# Allegro board 4CHOEI-X86brd-1.brd
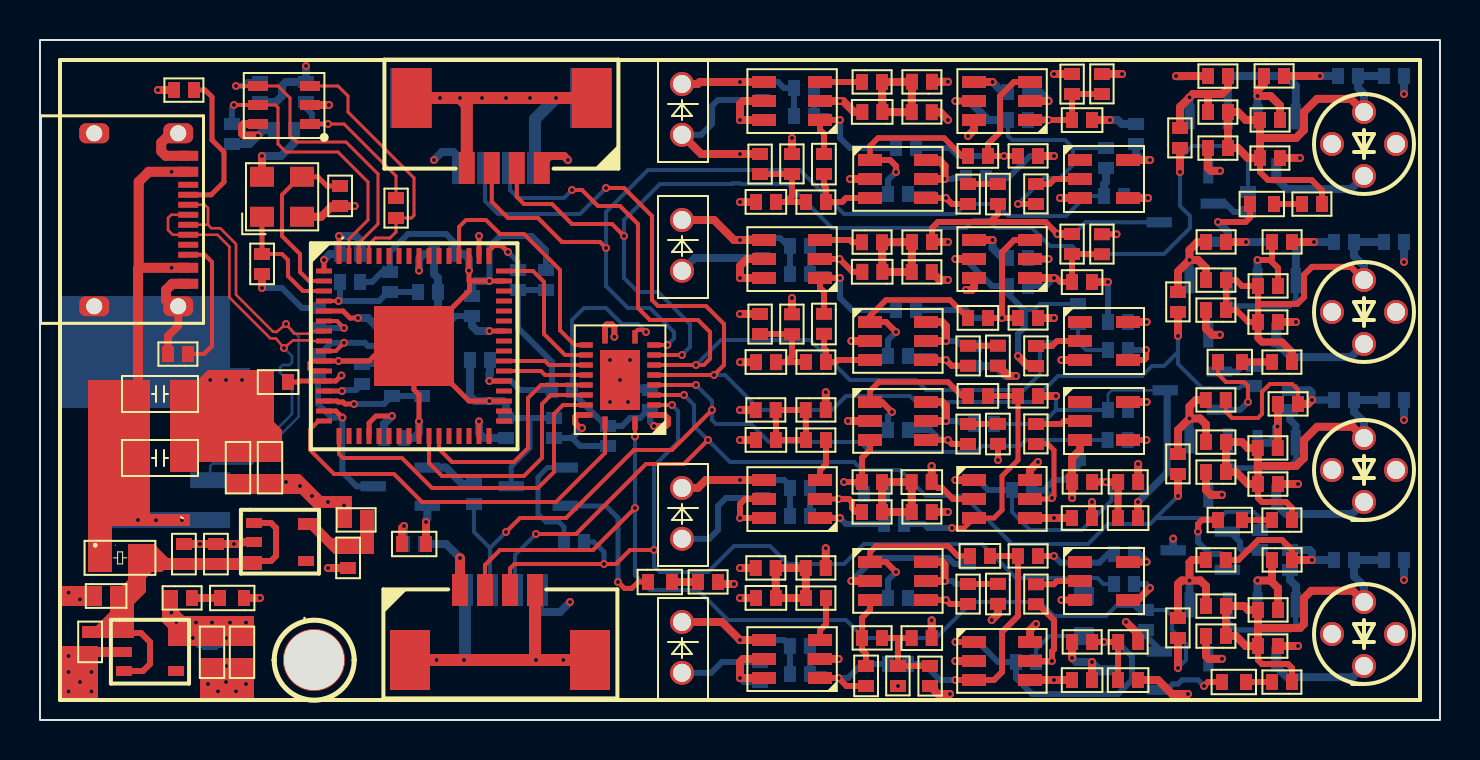
[diagram p0: board, top side]
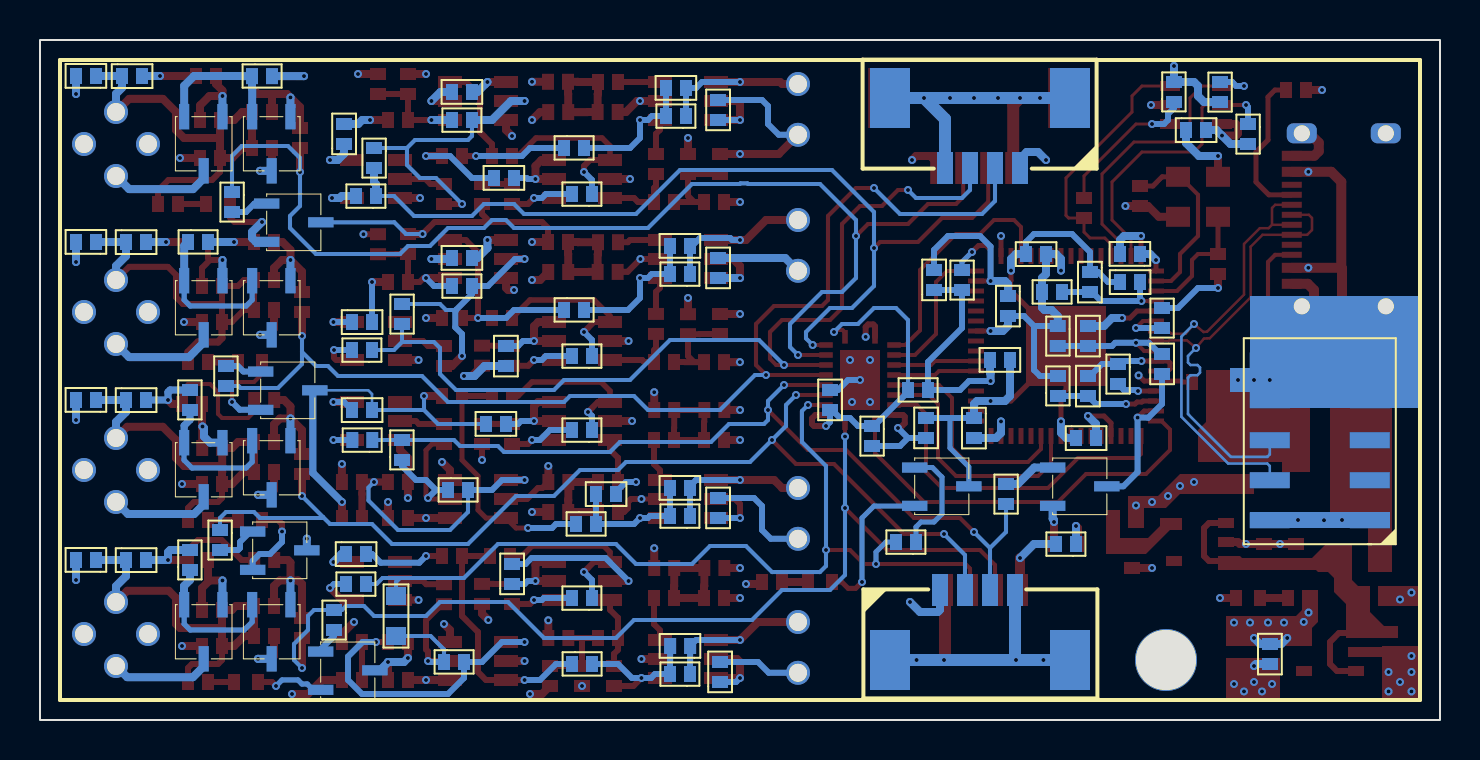
[diagram p1: board, bottom side, seen from below]

Outline 70 x 34 mm; copper layers: TOP, GND-2, VCC-3, BOTTOM. Coordinates in mm from the lower left corner of the outline.
Outline path: rectangle 0,0 70,34

## Design rules (mm)
constraint set DEFAULT: min track width 0.127, pair gap 0.203
net group DP1: nets DM DP
net group RXD_A: nets N1044254 RXD_A
net group RXD_B: nets N1046726 RXD_B
net group TXD_A: nets N931500 N931876 N931880 N931896 N1030033 N1030111 TXD_A
net group TXD_B: nets N932356 N932732 N932736 N932752 N1032803 N1032881 TXD_B
net group TXD_C: nets N932344 N932712 N932716 N932748 N1031483 N1031561 TXD_C
net group TXD_D: nets N931488 N931856 N931860 N931892 N1026759 N1028297 TXD_D

## Placement (name value [footprint] x y rotation side)
C1  DNI  [C0402_SMT]  42.12 30.4 180 top
C2  0.1uF  [C0402_SMT]  51.6 30 0 top
C3  DNI  [C0402_SMT]  47.4 28.2 180 top
C4  DNI  [C0402_SMT]  39.2 28.3 270 top
C5  0.1uF  [C0402_SMT]  47.9 26.8 270 top
C6  27pF  [C0402_SMT]  15 25.7 90 top
C7  0.1uF  [C0402_SMT]  36.8 25.9 180 top
C8  27pF  [C0402_SMT]  11.1 22.3 90 top
C9  DNI  [C0402_SMT]  42.12 22.41 180 top
C10  0.1uF  [C0402_SMT]  51.6 21.9 0 top
C11  DNI  [C0402_SMT]  47.4 20.1 180 top
C12  DNI  [C0402_SMT]  39.2 20.3 270 top
C13  0.1uF  [C0402_SMT]  47.9 18.71 270 top
C14  0.1uF  [C0402_SMT]  36.8 17.89 180 top
C15  0.1uF  [C0402_SMT]  11.4 16.9 0 top
C16  22uF  [C0805_SMT]  4.9 16.3 0 top
C17  DNI  [C0402_SMT]  47.4 16.2 180 top
C18  0.1uF  [C0402_SMT]  47.9 14.8 270 top
C19  DNI  [C0402_SMT]  36.8 14 180 top
C20  22uF  [C0805_SMT]  4.9 13.1 0 top
C21  22uF  [C0603_SMT]  9.9 11.9 90 top
C22  22uF  [C0603_SMT]  11.5 11.9 90 top
C23  0.1uF  [C0402_SMT]  43.59 11.9 0 top
C24  0.1uF  [C0402_SMT]  51.6 10.1 0 top
C25  0.1uF  [C0402_SMT]  53.9 10.1 0 top
C26  10uF  [C0402_SMT]  7.2 8.8 270 top
C27  0.1uF  [C0402_SMT]  8.8 8.8 270 top
C28  DNI  [C0402_SMT]  47.5 8.2 180 top
C29  10uF  [C0402_SMT]  15.4 7.6 90 top
C30  0.1uF  [C0402_SMT]  47.9 6.8 270 top
C31  0.1uF  [C0402_SMT]  2.8 6.21 0 top
C32  DNI  [C0402_SMT]  36.8 6.1 180 top
C33  0.1uF  [C0402_SMT]  43.59 4.1 0 top
C34  10uF  [C0402_SMT]  2.5 3.4 90 top
C35  22uF  [C0603_SMT]  8.6 4.1 270 top
C36  22uF  [C0603_SMT]  10.1 4.1 270 top
C37  DNI  [C0402_SMT]  41.3 1.7 90 top
C38  0.1uF  [C0402_SMT]  51.6 2 0 top
C39  0.1uF  [C0402_SMT]  53.9 2 0 top
C40  10uF  [C0402_SMT]  67.2 32.2 0 bottom
C41  10uF  [C0402_SMT]  65.9 32.2 180 bottom
C42  1.5pF  [C0402_SMT]  37.7 31.6 0 bottom
C43  0.1uF  [C0402_SMT]  48.4 31.4 0 bottom
C44  0.1uF  [C0402_SMT]  36.1 30 90 bottom
C45  0.1uF  [C0402_SMT]  12.7 29.5 180 bottom
C46  0.1uF  [C0402_SMT]  54.8 28.8 90 bottom
C47  0.1uF  [C0402_SMT]  46.3 27.1 0 bottom
C48  10uF  [C0402_SMT]  67.2 23.9 0 bottom
C49  10uF  [C0402_SMT]  65.7 23.9 180 bottom
C50  1.5pF  [C0402_SMT]  37.5 23.7 0 bottom
C51  0.1uF  [C0402_SMT]  20.7 23.3 180 bottom
C52  0.1uF  [C0402_SMT]  15 23.3 0 bottom
C53  0.1uF  [C0402_SMT]  48.4 23.1 0 bottom
C54  0.1uF  [C0402_SMT]  36.1 22.1 90 bottom
C55  4.7uF  [C0402_SMT]  25.3 21.5 90 bottom
C56  0.1uF  [C0402_SMT]  16 21.9 180 bottom
C57  4.7uF  [C0402_SMT]  17.5 22.4 270 bottom
C58  0.1uF  [C0402_SMT]  21.6 21.2 270 bottom
C59  0.1uF  [C0402_SMT]  54.4 19.9 180 bottom
C60  0.1uF  [C0402_SMT]  17.6 19.7 270 bottom
C61  0.1uF  [C0402_SMT]  46.7 18.7 270 bottom
C62  0.1uF  [C0402_SMT]  21.5 18 0 bottom
C63  4.7uF  [C0402_SMT]  13.9 17.3 90 bottom
C64  0.1uF  [C0402_SMT]  17.6 17.2 270 bottom
C65  0.1uF  [C0402_SMT]  30.5 15.5 90 bottom
C66  10uF  [C0402_SMT]  67.2 16 0 bottom
C67  10uF  [C0402_SMT]  65.7 16 180 bottom
C68  0.1uF  [C0402_SMT]  54.4 15.5 180 bottom
C69  0.1uF  [C0402_SMT]  46.7 14.8 0 bottom
C70  0.1uF  [C0402_SMT]  25.7 14.1 90 bottom
C71  0.1uF  [C0402_SMT]  23.3 15.1 270 bottom
C72  0.1uF  [C0402_SMT]  18.2 14.1 180 bottom
C73  1.5pF  [C0402_SMT]  37.5 11.6 0 bottom
C74  DNI  [C0402_SMT]  42.2 11.3 180 bottom
C75  0.1uF  [C0402_SMT]  36.1 10.1 90 bottom
C76  0.1uF  [C0402_SMT]  54.7 8.3 180 bottom
C77  10uF  [C0402_SMT]  67.2 8 0 bottom
C78  10uF  [C0402_SMT]  65.7 8 180 bottom
C79  0.1uF  [C0402_SMT]  46.4 6.8 90 bottom
C80  1.5pF  [C0402_SMT]  37.49 3.7 0 bottom
C81  10uF  [C0402_SMT]  8.5 3.8 270 bottom
C82  0.1uF  [C0402_SMT]  36 1.9 90 bottom
D1  GREEN LED  [LED0402]  60.5 25.8 0 top
D2  GREEN LED  [LED0402]  58.9 17.9 0 top
D3  GREEN LED  [LED0402]  58.9 10 0 top
D4  GREEN LED  [LED0402]  10.2 6.1 180 top
D5  GREEN LED  [LED0402]  59.1 1.9 0 top
D6  GREEN LED  [LED0402]  30.4 6.9 0 top
D7  GREEN LED  [LED0402]  19.3 8.8 180 top
F1  100mA  [R0805]  3 8.1 0 top
J1  SIP-1x4  [SMD-1D25-4P-DEG0]  25.09 27.6 180 top
J2  SIP-1x4  [SMD-1D25-4P-DEG0]  21 6.5 0 top
J3  SIP-1x4  [SMD-1D25-4P-DEG0]  21 27.6 0 bottom
J4  CONN-2X5P  [CONN-2X5P-2D0]  3.51 9.99 0 bottom
J5  SIP-1x4  [SMD-1D25-4P-DEG0]  25 6.5 180 bottom
L1  2.2uH  [L0402_SMT]  19.9 21.4 180 bottom
L2  2.2uH  [L0402_SMT]  19.11 19.7 270 bottom
LD1  LaserDiode  [LD_CIR_THR_4P]  66.2 28.8 90 top
LD2  LaserDiode  [LD_CIR_THR_4P]  66.2 20.4 90 top
LD3  LaserDiode  [LD_CIR_THR_4P]  66.2 12.5 90 top
LD4  LaserDiode  [LD_CIR_THR_4P]  66.2 4.3 90 top
NOREF  -  []  0 0 90 top
NOREF#2  -  [unnamed#2]  13.7 3 0 top
NOREF#3  -  []  0 34 0 top
PD1  Photodiode  [PD-THR-2P]  32.1 31.8 270 top
PD2  Photodiode  [PD-THR-2P]  32.1 25 270 top
PD3  Photodiode  [PD-THR-2P]  32.1 11.6 270 top
PD4  Photodiode  [PD-THR-2P]  32.1 4.9 270 top
Q1  2SC1815  [SOT23-3]  60.4 30.6 0 bottom
Q2  2SC1815  [SOT23-3]  57 30.6 0 bottom
Q3  MMBT4403LT1G  [SOT23-3]  59.1 26.3 270 bottom
Q4  2SC1815  [SOT23-3]  60.4 22.4 0 bottom
Q5  2SC1815  [SOT23-3]  57 22.4 0 bottom
Q6  MMBT4403LT1G  [SOT23-3]  59.4 17.9 270 bottom
Q7  2SC1815  [SOT23-3]  57 14.4 0 bottom
Q8  2SC1815  [SOT23-3]  60.4 14.3 0 bottom
Q9  MMBT4403LT1G  [SOT23-3]  26.7 13.1 270 bottom
Q10  MMBT4403LT1G  [SOT23-3]  19.8 13.1 270 bottom
Q11  MMBT4403LT1G  [SOT23-3]  59.8 9.9 270 bottom
Q12  2SC1815  [SOT23-3]  60.4 6.2 0 bottom
Q13  2SC1815  [SOT23-3]  57 6.2 0 bottom
Q14  MMBT4403LT1G  [SOT23-3]  56.4 3.9 270 bottom
R1  510  [R0402_SMT]  59.4 32.2 180 top
R2  510  [R0402_SMT]  61.2 32.2 0 top
R3  0R  [R0402_SMT]  41.1 31.9 0 top
R4  0R  [R0402_SMT]  44.6 31.91 180 top
R5  4.99K  [R0402_SMT]  53.1 31.3 90 top
R6  4.99K  [R0402_SMT]  51.6 32.3 270 top
R7  5.1K  [R0402_SMT]  7.7 31.5 180 top
R8  DNI  [R0402_SMT]  43.59 30.39 0 top
R9  510  [R0402_SMT]  59.4 30.4 180 top
R10  510  [R0402_SMT]  61 30 0 top
R11  510  [R0402_SMT]  57 28.6 90 top
R12  51  [R0402_SMT]  59.4 28.6 180 top
R13  100K  [R0402_SMT]  48.9 28.2 0 top
R14  DNP  [R0402_SMT]  62 28.1 180 top
R15  4.99K  [R0402_SMT]  37.6 27.3 90 top
R16  4.99K  [R0402_SMT]  36 28.3 270 top
R17  DNI  [R0402_SMT]  49.8 25.8 90 top
R18  10K  [R0402_SMT]  46.4 26.8 270 top
R19  0R  [R0402_SMT]  39.3 25.9 180 top
R20  20K  [R0402_SMT]  64.1 25.8 180 top
R21  2K  [R0402_SMT]  17.8 26.1 270 top
R22  510  [R0402_SMT]  58.3 23.9 0 top
R23  510  [R0402_SMT]  61.6 23.9 0 top
R24  0R  [R0402_SMT]  41.1 23.89 0 top
R25  0R  [R0402_SMT]  44.6 23.9 180 top
R26  4.99K  [R0402_SMT]  51.6 24.3 270 top
R27  4.99K  [R0402_SMT]  53.1 23.29 90 top
R28  DNI  [R0402_SMT]  43.59 22.4 0 top
R29  510  [R0402_SMT]  59.3 22 180 top
R30  510  [R0402_SMT]  60.9 21.7 0 top
R31  510  [R0402_SMT]  56.9 20.4 90 top
R32  51  [R0402_SMT]  59.3 20.5 180 top
R33  100K  [R0402_SMT]  48.9 20.1 0 top
R34  DNP  [R0402_SMT]  61.9 19.9 180 top
R35  4.99K  [R0402_SMT]  36 20.3 270 top
R36  4.99K  [R0402_SMT]  37.6 19.29 90 top
R37  5.1K  [R0402_SMT]  7.4 18.3 180 top
R38  10K  [R0402_SMT]  46.4 18.71 270 top
R39  DNI  [R0402_SMT]  49.8 17.7 90 top
R40  0R  [R0402_SMT]  39.3 17.9 180 top
R41  20K  [R0402_SMT]  62.6 17.9 180 top
R42  100K  [R0402_SMT]  48.9 16.2 0 top
R43  510  [R0402_SMT]  58.29 16 0 top
R44  510  [R0402_SMT]  61.9 15.8 0 top
R45  0R  [R0402_SMT]  35.78 15.5 0 top
R46  DNI  [R0402_SMT]  38.29 15.5 0 top
R47  DNI  [R0402_SMT]  49.8 13.8 90 top
R48  10K  [R0402_SMT]  46.4 14.8 270 top
R49  0R  [R0402_SMT]  39.3 14 180 top
R50  510  [R0402_SMT]  59.3 13.9 180 top
R51  510  [R0402_SMT]  60.89 13.6 0 top
R52  510  [R0402_SMT]  56.9 12.3 90 top
R53  51  [R0402_SMT]  59.3 12.4 180 top
R54  0R  [R0402_SMT]  41.1 11.9 0 top
R55  4.99K  [R0402_SMT]  51.6 11.9 0 top
R56  4.99K  [R0402_SMT]  53.91 11.9 0 top
R57  DNP  [R0402_SMT]  61.9 11.8 180 top
R58  4.99K  [R0402_SMT]  41.1 10.4 0 top
R59  4.99K  [R0402_SMT]  43.59 10.4 0 top
R60  0  [R0402_SMT]  15.3 10 0 top
R61  20K  [R0402_SMT]  62.6 10 180 top
R62  20K  [R0402_SMT]  18.2 8.8 0 bottom
R63  100K  [R0402_SMT]  48.9 8.2 0 top
R64  510  [R0402_SMT]  58.29 8 0 top
R65  510  [R0402_SMT]  61.6 8 0 top
R66  0R  [R0402_SMT]  35.78 7.6 0 top
R67  DNI  [R0402_SMT]  38.29 7.6 0 top
R68  20K  [R0402_SMT]  32.9 6.9 0 top
R69  10K  [R0402_SMT]  46.4 6.8 270 top
R70  DNI  [R0402_SMT]  49.8 5.79 90 top
R71  20K  [R0402_SMT]  6.6 6.1 0 top
R72  0R  [R0402_SMT]  39.3 6.1 180 top
R73  510  [R0402_SMT]  59.3 5.7 180 top
R74  510  [R0402_SMT]  60.9 5.5 0 top
R75  510  [R0402_SMT]  56.9 4.1 90 top
R76  51  [R0402_SMT]  59.3 4.2 180 top
R77  0R  [R0402_SMT]  41.1 4.1 0 top
R78  4.99K  [R0402_SMT]  51.6 3.9 0 top
R79  4.99K  [R0402_SMT]  53.91 3.9 0 top
R80  DNP  [R0402_SMT]  61.9 3.7 180 top
R81  4.99K  [R0402_SMT]  42.9 1.7 90 top
R82  4.99K  [R0402_SMT]  44.5 2.7 270 top
R83  20K  [R0402_SMT]  62.6 1.9 180 top
R84  51  [R0402_SMT]  59.4 32.2 180 bottom
R85  10K  [R0402_SMT]  13.3 30.9 90 bottom
R86  10K  [R0402_SMT]  11 31.9 270 bottom
R87  10K  [R0402_SMT]  37.7 30.2 0 bottom
R88  DNP  [R0402_SMT]  48.4 30 0 bottom
R89  10K  [R0402_SMT]  9.6 29.8 270 bottom
R90  0R  [R0402_SMT]  43.8 28.6 180 bottom
R91  0R  [R0402_SMT]  53.3 28.6 270 bottom
R92  10K  [R0402_SMT]  42.4 26.3 0 bottom
R93  DNI  [R0402_SMT]  53.2 26.2 0 bottom
R94  510  [R0402_SMT]  60.4 26.4 270 bottom
R95  51  [R0402_SMT]  62.6 23.9 180 bottom
R96  10K  [R0402_SMT]  37.5 22.3 0 bottom
R97  DNP  [R0402_SMT]  23.9 22.5 270 bottom
R98  DNP  [R0402_SMT]  48.4 21.7 0 bottom
R99  0R  [R0402_SMT]  43.8 20.5 180 bottom
R100  0R  [R0402_SMT]  51.9 20.8 270 bottom
R101  12K  [R0402_SMT]  13.9 20.6 270 bottom
R102  DNI  [R0402_SMT]  53.4 18.5 0 bottom
R103  10K  [R0402_SMT]  42.4 18.2 0 bottom
R104  0  [R0402_SMT]  16.1 17.8 270 bottom
R105  510  [R0402_SMT]  60.7 16.7 90 bottom
R106  10K  [R0402_SMT]  19.1 16.2 90 bottom
R107  DNP  [R0402_SMT]  26.6 16.5 180 bottom
R108  51  [R0402_SMT]  62.5 15.5 90 bottom
R109  10K  [R0402_SMT]  42.4 14.5 0 bottom
R110  0  [R0402_SMT]  28.4 14.7 270 bottom
R111  DNI  [R0402_SMT]  53.38 14 0 bottom
R112  0R  [R0402_SMT]  51.9 13 90 bottom
R113  DNP  [R0402_SMT]  49.6 11.5 180 bottom
R114  510  [R0402_SMT]  21.7 11.8 270 bottom
R115  10K  [R0402_SMT]  37.5 10.2 0 bottom
R116  0R  [R0402_SMT]  43.2 9.8 180 bottom
R117  510  [R0402_SMT]  61 9.5 270 bottom
R118  510  [R0402_SMT]  26.2 8.9 0 bottom
R119  51  [R0402_SMT]  62.5 7.5 90 bottom
R120  DNI  [R0402_SMT]  53.7 6.8 0 bottom
R121  10K  [R0402_SMT]  42.4 6.1 0 bottom
R122  -  [R0603_BIG_GAP]  52.2 4.2 90 bottom
R123  510  [R0402_SMT]  55.3 5.5 270 bottom
R124  DNP  [R0402_SMT]  49.8 2.9 180 bottom
R125  0R  [R0402_SMT]  43.4 2.8 180 bottom
R126  10K  [R0402_SMT]  37.5 2.3 0 bottom
U1  OPA357AIDBVR  [SOT-23-6-L2D9-W1D6-PD0D95-CD2D8-MM]  39 30 180 top
U2  TLV3501AIDBVR  [SOT-23-6-L2D9-W1D6-PD0D95-CD2D8-MM]  49.5 30 180 top
U3  93LC56BT-I/OT  [SOT-23-6]  13.5 29.8 180 top
U4  OPA357AIDBVR  [SOT-23-6-L2D9-W1D6-PD0D95-CD2D8-MM]  41.5 28 0 top
U5  SN74AHC1G14DBVR  [SOT-23-5]  52 28 0 top
U6  TYPE-C 16PIN 2MD(073)  [USB-TYPE-C-16P-SMD-HOR]  7.41 25.01 270 top
U7  OPA357AIDBVR  [SOT-23-6-L2D9-W1D6-PD0D95-CD2D8-MM]  39 22.1 180 top
U8  TLV3501AIDBVR  [SOT-23-6-L2D9-W1D6-PD0D95-CD2D8-MM]  49.5 22.1 180 top
U9  OPA357AIDBVR  [SOT-23-6-L2D9-W1D6-PD0D95-CD2D8-MM]  41.5 19.9 0 top
U10  SN74AHC1G14DBVR  [SOT-23-5]  52 19.9 0 top
U11  FT4232HQ-REEL  [QFN-64-EP]  18.7 18.7 0 top
U12  TXS0108ERGYR  [VQFN-20]  29 17 90 top
U13  OPA357AIDBVR  [SOT-23-6-L2D9-W1D6-PD0D95-CD2D8-MM]  41.5 15.9 0 top
U14  SN74AHC1G14DBVR  [SOT-23-5]  52 15.9 0 top
U15  OPA357AIDBVR  [SOT-23-6-L2D9-W1D6-PD0D95-CD2D8-MM]  39 10.1 180 top
U16  TLV3501AIDBVR  [SOT-23-6-L2D9-W1D6-PD0D95-CD2D8-MM]  46.7 12 0 top
U17  XC6220B181MR  [SOT-25-5]  12 8.9 0 top
U18  OPA357AIDBVR  [SOT-23-6-L2D9-W1D6-PD0D95-CD2D8-MM]  41.5 7.9 0 top
U19  SN74AHC1G14DBVR  [SOT-23-5]  52 7.9 0 top
U20  XC6220B331MR-G  [SOT-25-5]  5.5 3.4 0 top
U21  OPA357AIDBVR  [SOT-23-6-L2D9-W1D6-PD0D95-CD2D8-MM]  39 2.1 180 top
U22  TLV3501AIDBVR  [SOT-23-6-L2D9-W1D6-PD0D95-CD2D8-MM]  46.7 3.9 0 top
Y1  CRYSTAL-12.0MHz  [SMD2520-4P]  12.1 26.2 0 top

## Library data of the parts
C1-C82 = CAP NP
D1-D7 = LED
F1 = FUSE
J1-J3 J5 = SIP-1x4
J4 = CONN-2X5P
L1 L2 = INDUCTOR
LD1-LD4 = LaserDiode
PD1-PD4 = Photodiode
Q1 Q2 Q4 Q5 Q7 Q8 Q12 Q13 = 2SC1815
Q3 Q6 Q9-Q11 Q14 = MMBT4403LT1G
R1 R2 R9-R11 R20 R22 R23 R29-R31 R41 R43 R44 R50-R52 R61 R62 R64 R65 R68 R71 R73-R75 R83 R94 R105 R114 R117 R118 R123 = R: signal model: DEFAULT_RESISTOR_510.000000OHM_2_1
R3-R8 R13 R15-R19 R21 R24-R28 R33 R35-R40 R42 R45-R49 R54-R56 R58-R60 R63 R66 R67 R69 R70 R72 R77-R79 R81 R82 R85-R93 R96-R104 R106 R107 R109-R113 R115 R116 R120 R121 R124-R126 = R
R12 R14 R32 R34 R53 R57 R76 R80 R84 R95 R108 R119 = R: signal model: DEFAULT_RESISTOR_40.000000OHM_2_1
R122 = R_R0603_BIG_GAP_0R
U1 U4 U7 U9 U13 U15 U18 U21 = OPA357AIDBVR
U2 U8 U16 U22 = TLV3501AIDBVR
U3 = 93LC56BT-I/OT
U5 U10 U14 U19 = SN74AHC1G14DBVR
U6 = USB-TYPE-C
U11 = FT4232HQ-REEL
U12 = TXS0108ERGYR
U17 = XC6220B181MR
U20 = XC6220B331MR-G
Y1 = CRYSTAL

## Footprints (pads in the part's own frame, mm; a bottom-side part is the same pattern mirrored in y, then rotated)
C0402_SMT
  rect 0.6x0.8 smd: 1(0,0) 2(1,0)
C0603_SMT
  rect 0.8x0.9 smd: 1(0,0) 2(1.4,0)
C0805_SMT
  rect 1.2x1.4 smd: 1(0,0) 2(2.2,0)
CONN-2X5P-2D0
  rect 2x0.8 smd: 1(0,0) 2(5,0) 3(0,-2) 4(5,-2) 5(0,-4) 6(5,-4) 7(0,-6) 8(5,-6) 9(0,-8) 10(5,-8)
L0402_SMT
  rect 0.6x0.8 smd: 1(0,0) 2(1,0)
LD_CIR_THR_4P
  round 1.2 hole 0.9: 1(1.6,0) 2(-1.6,0) 3(0,1.6) 4(0,-1.6)
LED0402
  rect 0.6x0.8 smd: 1(0,0) 2(1.2,0)
PD-THR-2P
  round 1.2 hole 0.9: 1(0,0) 2(2.54,0)
QFN-64-EP
  rect 0.8x0.25 smd: 1(-4.5,3.75) 2(-4.5,3.25) 3(-4.5,2.75) 4(-4.5,2.25) 5(-4.5,1.75) 6(-4.5,1.25) 7(-4.5,0.75) 8(-4.5,0.25) 9(-4.5,-0.25) 10(-4.5,-0.75) 11(-4.5,-1.25) 12(-4.5,-1.75) 13(-4.5,-2.25) 14(-4.5,-2.75) 15(-4.5,-3.25) 16(-4.5,-3.75) 33(4.5,-3.75) 34(4.5,-3.25) 35(4.5,-2.75) 36(4.5,-2.25) 37(4.5,-1.75) 38(4.5,-1.25) 39(4.5,-0.75) 40(4.5,-0.25) 41(4.5,0.25) 42(4.5,0.75) 43(4.5,1.25) 44(4.5,1.75) 45(4.5,2.25) 46(4.5,2.75) 47(4.5,3.25) 48(4.5,3.75)
  rect 0.25x0.8 smd: 17(-3.75,-4.5) 18(-3.25,-4.5) 19(-2.75,-4.5) 20(-2.25,-4.5) 21(-1.75,-4.5) 22(-1.25,-4.5) 23(-0.75,-4.5) 24(-0.25,-4.5) 25(0.25,-4.5) 26(0.75,-4.5) 27(1.25,-4.5) 28(1.75,-4.5) 29(2.25,-4.5) 30(2.75,-4.5) 31(3.25,-4.5) 32(3.75,-4.5) 49(3.75,4.5) 50(3.25,4.5) 51(2.75,4.5) 52(2.25,4.5) 53(1.75,4.5) 54(1.25,4.5) 55(0.75,4.5) 56(0.25,4.5) 57(-0.25,4.5) 58(-0.75,4.5) 59(-1.25,4.5) 60(-1.75,4.5) 61(-2.25,4.5) 62(-2.75,4.5) 63(-3.25,4.5) 64(-3.75,4.5)
  rect 4x4 smd: 65(0,0)
R0402_SMT
  rect 0.6x0.8 smd: 1(0,0) 2(1,0)
R0603_BIG_GAP
  rect 0.9x1 smd: 1(0,0) 2(2,0)
R0805
  rect 1.2x1.4 smd: 1(0,0) 2(2,0)
SMD2520-4P
  rect 1.2x1 smd: 1(-1,-1.04) 2(1,-1.04) 3(1,0.96) 4(-1,0.96)
SMD-1D25-4P-DEG0
  rect 0.8x1.6 smd: 1(0,0) 2(1.25,0) 3(2.5,0) 4(3.75,0)
  rect 2x3 smd: 5(6.5,-3.5) 6(-2.5,-3.5)
SOT23-3
  rect 0.51x1.27 smd: 1(0.476,0.434) 2(2.391,0.434) 3(1.415,3.142)
SOT-23-5
  rect 1.2x0.6 smd: 1(0,0) 2(0,-0.95) 3(0,-1.9) 4(2.4,-1.9) 5(2.4,0)
SOT-23-6
  rect 1x0.5 smd: 1(0,0) 2(0,-0.95) 3(0,-1.9) 4(2.6,-1.9) 5(2.6,-0.95) 6(2.6,0)
SOT-23-6-L2D9-W1D6-PD0D95-CD2D8-MM
  rect 1.2x0.6 smd: 1(0,0) 2(0,-0.95) 3(0,-1.9) 4(2.8,-1.9) 5(2.8,-0.95) 6(2.8,0)
SOT-25-5
  rect 0.8x0.5 smd: 1(-1.3,0.95) 2(-1.3,0) 3(-1.3,-0.95) 4(1.3,-0.95) 5(1.3,0.95)
unnamed#2
  round 3.1 hole 3 unplated: (0,0)
USB-TYPE-C-16P-SMD-HOR
  rect 0.5x1 smd: 1(-3.2,0) 2(-2.4,0) 11(2.4,0) 12(3.2,0)
  rect 0.3x1 smd: 3(-1.75,0) 4(-1.25,0) 5(-0.75,0) 6(-0.25,0) 7(0.25,0) 8(0.75,0) 9(1.25,0) 10(1.75,0)
  rrect 1x1.5 hole 0.8: 13(4.325,-0.5) 14(4.325,-4.7) 15(-4.325,-4.7) 16(-4.325,-0.5)
VQFN-20
  rect 0.68x0.28 smd: 1(-2.157,-0.75) 10(2.158,-0.75) 11(2.158,0.75) 20(-2.157,0.75)
  rect 0.28x0.68 smd: 2(-1.75,-1.7) 3(-1.25,-1.7) 4(-0.75,-1.7) 5(-0.25,-1.7) 6(0.25,-1.7) 7(0.75,-1.7) 8(1.25,-1.7) 9(1.75,-1.7) 12(1.75,1.7) 13(1.25,1.7) 14(0.75,1.7) 15(0.25,1.7) 16(-0.25,1.7) 17(-0.75,1.7) 18(-1.25,1.7) 19(-1.75,1.7)
  rect 3x2 smd: EPAD(0,0)

## Nets
GND: C1.2 C2.2 C5.2 C6.1 C7.2 C8.1 C9.2 C10.2 C13.2 C14.2 C15.1 C16.2 C18.2 C19.2 C20.2 C21.2 C22.2 C23.2 C24.2 C25.2 C26.1 C27.1 C29.1 C30.2 C31.1 C32.2 C33.2 C34.1 C35.2 C36.2 C38.2 C39.2 C40.2 C41.2 C43.2 C44.2 C45.1 C46.2 C47.2 C48.2 C49.2 C51.1 C52.1 C53.2 C54.2 C55.2 C56.1 C57.1 C58.1 C59.2 C60.1 C61.2 C62.1 C63.1 C64.1 C65.2 C66.2 C67.2 C68.2 C69.2 C70.2 C71.1 C72.1 C75.2 C76.2 C77.2 C78.2 C79.2 C81.2 C82.2 D4.1(CATHODE) J1.4 J1.5 J1.6 J2.4 J2.5 J2.6 J3.4 J3.5 J3.6 J4.7 J4.8 J4.9 J4.10 J5.4 J5.5 J5.6 PD1.2 PD2.2 PD3.2 PD4.2 Q3.3 Q6.3 Q9.3 Q10.3 Q11.3 Q14.3 R1.2 R2.2 R4.1 R6.1 R7.2 R13.2 R16.1 R22.2 R23.2 R25.1 R26.1 R33.2 R35.1 R37.2 R42.2 R43.2 R44.2 R45.1 R55.1 R58.1 R63.2 R64.2 R65.2 R66.1 R78.1 R81.1 R84.2 R95.2 R101.1 R104.1 R108.2 R119.2 U1.2(V-) U2.2(V-) U2.6 U3.2 U4.2(V-) U5.3 U6.1 U6.12 U6.13 U6.14 U6.15 U6.16 U7.2(V-) U8.2(V-) U8.6 U9.2(V-) U10.3 U11.1 U11.5 U11.10 U11.11 U11.15 U11.25 U11.35 U11.47 U11.51 U11.65 U12.11 U12.EPAD U13.2(V-) U14.3 U15.2(V-) U16.2(V-) U16.6 U17.2(VSS) U18.2(V-) U19.3 U20.2(VSS) U21.2(V-) U22.2(V-) U22.6 Y1.2 Y1.4
VBUS: C26.2 C27.2 C31.2 C34.2 F1.2 U17.1 U17.3 U20.1 U20.3
VBUSIN: C16.1 C20.1 F1.1 J4.1 J4.2(V5I#2) U6.2 U6.11(VBUS2)
VDD18: C15.2 C21.1 C22.1 C52.2 C55.1 C62.2 R60.1 R97.2 R107.2 U11.12 U11.37 U11.64
VDD33: C24.1 C35.1 C36.1 C38.1 C43.1 C44.1 C45.2 C46.1 C47.1 C51.2 C53.1 C54.1 C58.2 C59.1 C61.1 C68.1 C69.1 C70.1 C71.2 C72.2 C75.1 C76.1 C79.1 C81.1 C82.1 J1.1 J2.1 J3.1 J5.1 L1.1 L2.1 R5.2 R8.2 R14.1 R15.2 R27.2 R28.2 R34.1 R36.2 R46.2 R56.2 R57.1 R59.2 R62.2 R67.2 R68.2 R71.1 R79.2 R80.1 R82.2 R85.2 R86.2 R89.2 R106.2 R110.2 U1.5 U1.6 U2.4 U3.6(VCC) U4.5 U4.6 U5.5 U7.5 U7.6 U8.4 U9.5 U9.6 U10.5 U11.20 U11.31 U11.42 U11.50 U11.56 U12.19(VCCB) U13.5 U13.6 U14.5 U15.5 U15.6 U16.4 U18.5 U18.6 U19.5 U20.5 U21.5 U21.6 U22.4
DM: J4.4 U6.5 U6.7 U11.7
DP: J4.6 U6.6 U6.8 U11.8
RXD_A: J2.3 R118.2 R120.1 R122.2 U12.3
RXD_B: J5.3 R111.1 R112.2 R114.2 U12.5
RXD_C: J3.3 R100.2 R102.1 U12.7
RXD_D: J1.3 R91.2 R93.1 U12.9
RXDA: U11.17 U12.18
RXDB: U11.27 U12.16
RXDC: U11.39 U12.14
RXDD: U11.52 U12.12
TXD_A: J2.2 R75.1 R123.1 U12.1
TXD_B: J5.2 R52.1 R117.1 U12.4
TXD_C: J3.2 R31.1 R105.1 U12.6
TXD_D: J1.2 R11.1 R94.1 U12.8
TXDA: U11.16 U12.20
TXDB: U11.26 U12.17
TXDC: U11.38 U12.15
TXDD: U11.48 U12.13
N00582: R89.1 U3.5 U11.63
N00604: R86.1 U3.4 U11.62
N00616: R21.2 U3.3 U11.61
N00760: R21.1 R85.1 U3.1
N01942: R97.1 U11.49(VREGOUT)
N02617: R101.2 U11.6
N02788: C64.2 R106.1 U11.14
N03863: C60.2 C63.2 L2.2 U11.9
N03880: C56.2 C57.2 L1.2 U11.4
N15178: C65.1 R107.1 R110.1 U12.2 U12.10
N619829: R104.2 U11.13
N625108: C50.1 PD2.1 R96.1 U7.4
N625141: C12.1 C50.2 R96.2 R99.2 U7.1
N797485: R38.2 R103.2 U9.4
N797493: C11.2 R103.1 U9.1
N797585: C10.1 R26.2 R27.1 R98.2 U8.1
N797593: R39.1 R98.1 R100.1 U8.5
N797877: C11.1 R33.1 R99.1 U8.3
N797953: C12.2 R40.1 U9.3
N798113: C14.1 R35.2 R36.1 R40.2
N804959: C13.1 R38.1
N809789: R39.2 U10.2
N814492: R102.2 U10.4(Y)
N820703: C5.1 R18.1
N820707: R18.2 R92.2 U4.4
N820719: C3.2 R92.1 U4.1
N820731: C2.1 R5.1 R6.2 R88.2 U2.1
N820747: C42.1 PD1.1 R87.1 U1.4
N820755: C4.1 C42.2 R87.2 R90.2 U1.1
N820875: R17.1 R88.1 R91.1 U2.5
N821237: R17.2 U5.2
N821249: R93.2 U5.4(Y)
N821327: C3.1 R13.1 R90.1 U2.3
N821379: C4.2 R19.1 U4.3
N821423: R3.1 U1.3
N821555: C7.1 R15.1 R16.2 R19.2
N830568: C29.2 R60.2 U17.5
N884584: R7.1 U6.4
N886048: R37.1 U6.10
N887669: C6.2 U11.2 Y1.3
N887689: C8.2 U11.3 Y1.1
N909852: C73.2 C74.1 R115.2 R116.2 U15.1
N909860: C17.1 R42.1 R116.1 U16.3
N909984: C18.1 R48.1
N909988: R48.2 R109.2 U13.4
N910000: C17.2 R109.1 U13.1
N910012: C25.1 R55.2 R56.1 R113.2 U16.1
N910028: C73.1 PD3.1 R115.1 U15.4
N910156: R47.1 R112.1 R113.1 U16.5
N910546: R47.2 U14.2
N910558: R111.2 U14.4(Y)
N910688: C74.2 R54.1 U13.3
N910732: R49.1 U15.3
N910864: C23.1 R54.2 R58.2 R59.1
N911060: C30.1 R69.1
N911064: R69.2 R121.2 U18.4
N911076: C28.2 R121.1 U18.1
N911088: C39.1 R78.2 R79.1 R124.2 U22.1
N911104: C80.1 PD4.1 R126.1 U21.4
N911112: C37.1 C80.2 R125.2 R126.2 U21.1
N911232: R70.1 R122.1 R124.1 U22.5
N911614: R70.2 U19.2
N911626: R120.2 U19.4(Y)
N911704: C28.1 R63.1 R125.1 U22.3
N911756: C37.2 R77.1 U18.3
N911932: C33.1 R77.2 R81.2 R82.1
N931488: C40.1 C41.1 LD1.1 R9.1 R10.1 R12.1 R14.2 R20.1
N931500: C77.1 C78.1 LD4.1 R73.1 R74.1 R76.1 R80.2 R83.1
N931812: LD1.2 Q1.3
N931828: LD4.2 Q12.3
N931856: Q2.1 R1.1 R9.2 R11.2
N931860: Q2.3 R12.2
N931876: Q13.1 R64.1 R73.2 R75.2
N931880: Q13.3 R76.2
N931892: Q1.1 R2.1 R10.2
N931896: Q12.1 R65.1 R74.2
N932124: Q1.2(E) Q2.2(E) R84.1
N932164: Q12.2(E) Q13.2(E) R119.1
N932344: C48.1 C49.1 LD2.1 R29.1 R30.1 R32.1 R34.2 R41.1
N932356: C66.1 C67.1 LD3.1 R50.1 R51.1 R53.1 R57.2 R61.1
N932668: LD2.2 Q4.3
N932684: LD3.2 Q8.3
N932712: Q5.1 R22.1 R29.2 R31.2
N932716: Q5.3 R32.2
N932732: Q7.1 R43.1 R50.2 R52.2
N932736: Q7.3 R53.2
N932748: Q4.1 R23.1 R30.2
N932752: Q8.1 R44.1 R51.2
N932980: Q4.2(E) Q5.2(E) R95.1
N933020: Q7.2(E) Q8.2(E) R108.1
N997394: C1.1 R3.2 R4.2 R8.1
N1001143: C9.1 R24.2 R25.2 R28.1
N1002126: R24.1 U7.3
N1003459: C19.1 R45.2 R46.1 R49.2
N1006765: C32.1 R66.2 R67.1 R72.2
N1007413: R72.1 U21.3
N1021710: D4.2 R71.2
N1026759: D1.2 R20.2
N1026806: D1.1(CATHODE) Q3.2(EMITTER)
N1028297: Q3.1 R94.2
N1030033: D5.2 R83.2
N1030065: D5.1(CATHODE) Q14.2(EMITTER)
N1030111: Q14.1 R123.2
N1031483: D2.2 R41.2
N1031515: D2.1(CATHODE) Q6.2(EMITTER)
N1031561: Q6.1 R105.2
N1032803: D3.2 R61.2
N1032835: D3.1(CATHODE) Q11.2(EMITTER)
N1032881: Q11.1 R117.2
N1044250: D6.1(CATHODE) Q9.2(EMITTER)
N1044254: Q9.1 R118.1
N1044997: D6.2 R68.1
N1046668: D7.2 R62.1
N1046672: D7.1(CATHODE) Q10.2(EMITTER)
N1046726: Q10.1 R114.1

Pads without a net: J4 3 5; LD1 3 4; LD2 3 4; LD3 3 4; LD4 3 4; U5 1; U6 3 9; U10 1; U11 18 19 21 22 23 24 28 29 30 32 33 34 36 40 41 43 44 45 46 53 54 55 57 58 59 60; U14 1; U17 4; U19 1; U20 4

## Via types
v1: diameter 0.4, hole 0.2, TOP to BOTTOM, 267 vias
